# Altium PCB PCB_VHDCI_breakout.PCBDOC (part 3 of 6)
Units mm, origin at the board's own origin, x right, y up, seen from the top; angles counter-clockwise.
Board outline 159.99 x 100 mm, 4 copper layers (TopLayer, Internal Plane 1, Internal Plane 2, BottomLayer), stack 1.622 mm thick; 81 components, 168 nets, 660 pads, 330 vias.
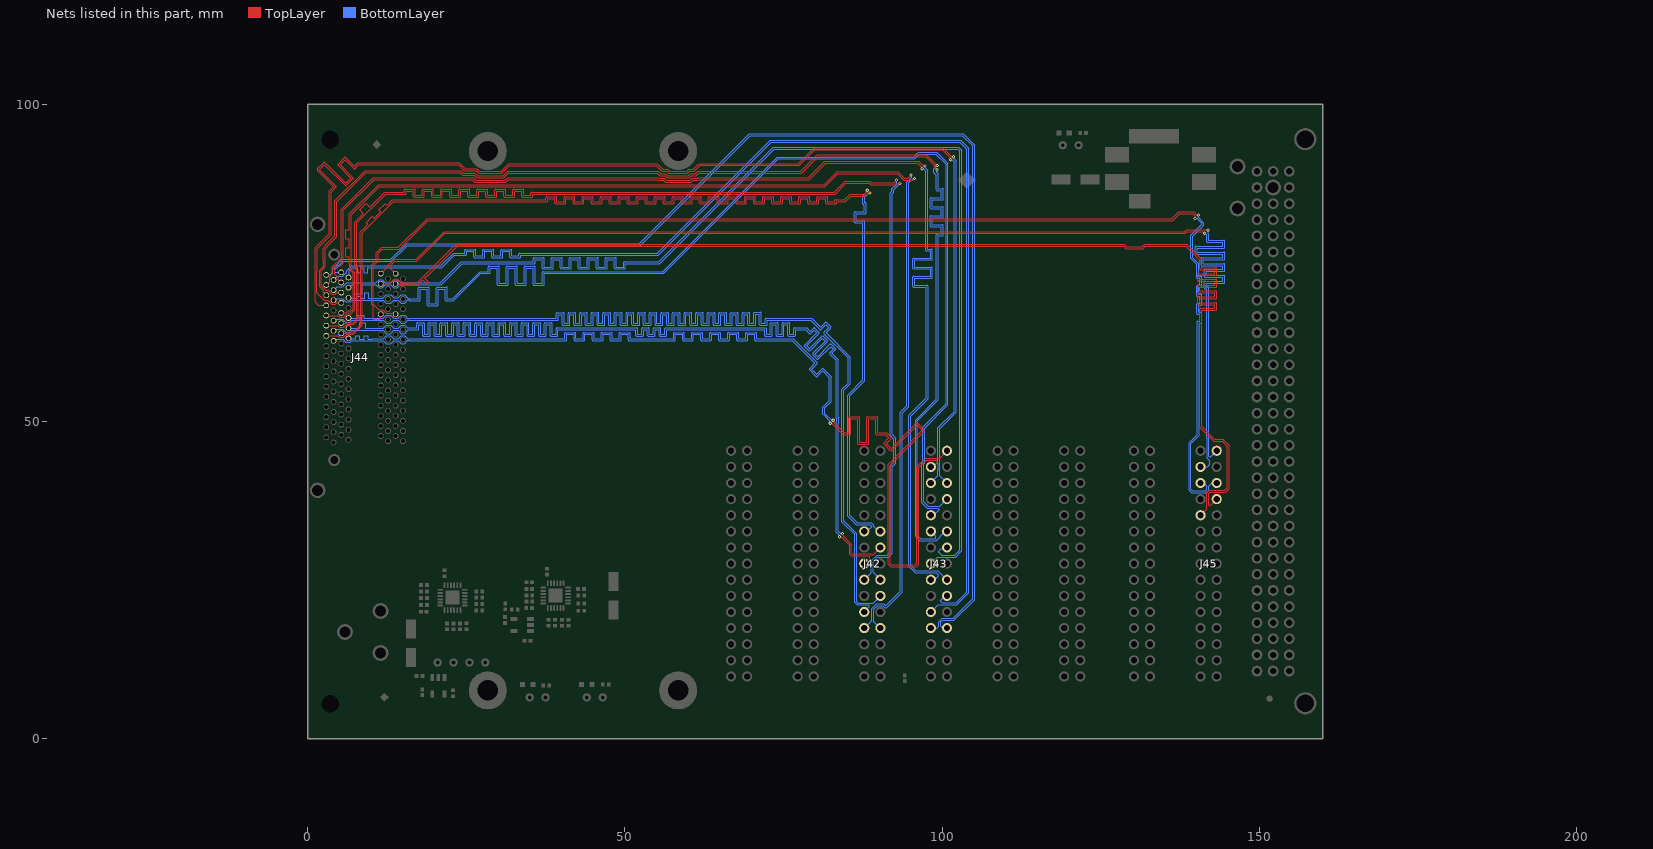
[diagram p5: the nets of this part, all layers, seen from the top]

## Via types
v1: diameter 0.5, hole 0.2, TopLayer to BottomLayer, tented both sides, 278 vias
v2: diameter 0.6, hole 0.3, TopLayer to BottomLayer, tented both sides, 52 vias

## Nets (pads, with @x,y where several pads share a name; then routed paths per layer and width w, separated by ;. In a path a pad name is that pad's centre, name@x,y a point inside that pad or via, vN(x,y) a via of type N, cw(c..) or ccw(c..) an arc to the next point about the centre after c; other vN are vias at no path point) (continued)
LVDS3_4_N: J42.12 J44.L56 | length 187.7
  TopLayer w0.127: J44.L56@2.945,63.471 4.789,63.471 5.029,63.23 5.698,63.23 6.179,63.711 7.199,63.711 8.611,65.123 8.611,74.525 8.605,74.531
  TopLayer w0.152: 8.605,74.531 8.605,79.705 13.495,84.595 37.711,84.595 ccw(c37.711,84.748) 37.864,84.748 37.864,85.089 38.981,85.089 38.981,84.464 ccw(c39.134,84.464) 39.134,84.311 40.556,84.311 ccw(c40.556,84.464) 40.708,84.464 40.708,85.089 41.826,85.089 41.826,84.464 ccw(c41.978,84.464) 41.978,84.311 43.401,84.311 ccw(c43.401,84.464) 43.553,84.464 43.553,85.089 44.671,85.089 44.671,84.464 ccw(c44.823,84.464) 44.823,84.311 46.246,84.311 ccw(c46.246,84.464) 46.398,84.464 46.398,85.089 47.516,85.089 47.516,84.464 ccw(c47.668,84.464) 47.668,84.311 49.09,84.311 ccw(c49.09,84.464) 49.243,84.464 49.243,85.089 50.36,85.089 50.36,84.464 ccw(c50.513,84.464) 50.513,84.311 51.935,84.311 ccw(c51.935,84.464) 52.088,84.464 52.088,85.089 53.205,85.089 53.205,84.464 ccw(c53.358,84.464) 53.358,84.311 54.78,84.311 ccw(c54.78,84.464) 54.932,84.464 54.932,85.089 56.05,85.089 56.05,84.464 ccw(c56.202,84.464) 56.202,84.311 57.625,84.311 ccw(c57.625,84.464) 57.777,84.464 57.777,85.089 58.895,85.089 58.895,84.464 ccw(c59.047,84.464) 59.047,84.311 60.47,84.311 ccw(c60.47,84.464) 60.622,84.464 60.622,85.089 61.74,85.089 61.74,84.464 ccw(c61.892,84.464) 61.892,84.311 63.314,84.311 ccw(c63.314,84.464) 63.467,84.464 63.467,85.089 64.584,85.089 64.584,84.464 ccw(c64.737,84.464) 64.737,84.311 66.159,84.311 ccw(c66.159,84.464) 66.312,84.464 66.312,85.089 67.429,85.089 67.429,84.464 ccw(c67.582,84.464) 67.582,84.311 69.004,84.311 ccw(c69.004,84.464) 69.156,84.464 69.156,85.089 70.274,85.089 70.274,84.464 ccw(c70.426,84.464) 70.426,84.311 71.849,84.311 ccw(c71.849,84.464) 72.001,84.464 72.001,85.089 73.119,85.089 73.119,84.464 ccw(c73.271,84.464) 73.271,84.311 74.694,84.311 ccw(c74.694,84.464) 74.846,84.464 74.846,85.089 75.964,85.089 75.964,84.464 ccw(c76.116,84.464) 76.116,84.311 77.538,84.311 ccw(c77.538,84.464) 77.691,84.464 77.691,85.089 78.808,85.089 78.808,84.464 ccw(c78.961,84.464) 78.961,84.311 80.383,84.311 ccw(c80.383,84.464) 80.536,84.464 80.536,85.089 81.653,85.089 81.653,84.464 ccw(c81.806,84.464) 81.806,84.311 83.228,84.311 ccw(c83.228,84.464) 83.38,84.464 83.38,84.595 84.726,84.595 84.831,84.7 85.631,85.5 87.931,85.5 88.393,85.962 v1(88.638,85.962)
  BottomLayer w0.152: v1(88.638,85.962) 88.393,85.962 87.805,85.374 87.805,84.441 87.881,84.441 cw(c87.881,84.289) 88.033,84.289 88.033,82.866 cw(c87.881,82.866) 87.881,82.714 86.465,82.714 86.465,81.596 87.652,81.596 cw(c87.652,81.444) 87.805,81.444 87.805,56.399 85.4,53.994 85.4,35.184 86.58,34.005 88.826,34.005 89.205,33.626 89.205,33.4 89.949,32.656 J42.12@90.255,32.656
LVDS3_4_P: J42.11 J44.L22 | length 186.9
  TopLayer w0.127: J44.L22@5.295,63.871 5.98,63.871 6.074,63.965 7.094,63.965 8.357,65.229 8.357,74.525 8.294,74.588 8.3,74.595
  TopLayer w0.152: 8.3,74.595 8.3,79.831 8.984,80.516 9.487,81.018 9.207,81.299 10.213,82.305 10.493,82.024 11.499,83.03 11.218,83.311 12.224,84.316 12.505,84.036 12.834,84.366 13.369,84.9 37.559,84.9 37.559,85.241 cw(c37.711,85.241) 37.711,85.394 39.134,85.394 cw(c39.134,85.241) 39.286,85.241 39.286,84.616 40.404,84.616 40.404,85.241 cw(c40.556,85.241) 40.556,85.394 41.978,85.394 cw(c41.978,85.241) 42.131,85.241 42.131,84.616 43.248,84.616 43.248,85.241 cw(c43.401,85.241) 43.401,85.394 44.823,85.394 cw(c44.823,85.241) 44.976,85.241 44.976,84.616 46.093,84.616 46.093,85.241 cw(c46.246,85.241) 46.246,85.394 47.668,85.394 cw(c47.668,85.241) 47.82,85.241 47.82,84.616 48.938,84.616 48.938,85.241 cw(c49.09,85.241) 49.09,85.394 50.513,85.394 cw(c50.513,85.241) 50.665,85.241 50.665,84.616 51.783,84.616 51.783,85.241 cw(c51.935,85.241) 51.935,85.394 53.358,85.394 cw(c53.358,85.241) 53.51,85.241 53.51,84.616 54.628,84.616 54.628,85.241 cw(c54.78,85.241) 54.78,85.394 56.202,85.394 cw(c56.202,85.241) 56.355,85.241 56.355,84.616 57.472,84.616 57.472,85.241 cw(c57.625,85.241) 57.625,85.394 59.047,85.394 cw(c59.047,85.241) 59.2,85.241 59.2,84.616 60.317,84.616 60.317,85.241 cw(c60.47,85.241) 60.47,85.394 61.892,85.394 cw(c61.892,85.241) 62.044,85.241 62.044,84.616 63.162,84.616 63.162,85.241 cw(c63.314,85.241) 63.314,85.394 64.737,85.394 cw(c64.737,85.241) 64.889,85.241 64.889,84.616 66.007,84.616 66.007,85.241 cw(c66.159,85.241) 66.159,85.394 67.582,85.394 cw(c67.582,85.241) 67.734,85.241 67.734,84.616 68.852,84.616 68.852,85.241 cw(c69.004,85.241) 69.004,85.394 70.426,85.394 cw(c70.426,85.241) 70.579,85.241 70.579,84.616 71.696,84.616 71.696,85.241 cw(c71.849,85.241) 71.849,85.394 73.271,85.394 cw(c73.271,85.241) 73.424,85.241 73.424,84.616 74.541,84.616 74.541,85.241 cw(c74.694,85.241) 74.694,85.394 76.116,85.394 cw(c76.116,85.241) 76.268,85.241 76.268,84.616 77.386,84.616 77.386,85.241 cw(c77.538,85.241) 77.538,85.394 78.961,85.394 cw(c78.961,85.241) 79.113,85.241 79.113,84.616 80.231,84.616 80.231,85.241 cw(c80.383,85.241) 80.383,85.394 81.806,85.394 cw(c81.806,85.241) 81.958,85.241 81.958,84.616 83.076,84.616 83.076,84.748 cw(c83.228,84.748) 83.228,84.9 84.6,84.9 85.505,85.805 87.805,85.805 88.177,86.177 v1(88.177,86.423)
  BottomLayer w0.152: J42.11@87.715,32.656 88.156,32.656 88.9,33.4 88.9,33.5 88.7,33.7 86.453,33.7 85.184,34.969 85.095,35.058 85.095,54.12 85.184,54.21 87.5,56.525 87.5,81.292 86.312,81.292 cw(c86.312,81.444) 86.16,81.444 86.16,82.866 cw(c86.312,82.866) 86.312,83.019 87.729,83.019 87.729,84.136 87.652,84.136 cw(c87.652,84.289) 87.5,84.289 87.5,85.5 88.177,86.177 v1(88.177,86.423)
LVDS3_5_N: J42.15 J44.L57 | length 187.1
  TopLayer w0.152: v1(83.807,31.814) 84.081,31.814 85.4,30.495 85.4,29.069 85.584,28.884 85.674,28.795 88.574,28.795 88.584,28.784 88.584,28.446 J42.15@87.715,27.576
  BottomLayer w0.127: J44.L57@4.095,64.271 4.335,64.511 5.56,64.511 6.041,64.03 6.71,64.03 6.991,64.311 11.929,64.311 12.41,63.83 13.128,63.83 13.61,64.311 14.278,64.311 14.76,63.83 15.29,63.83 15.86,64.4
  BottomLayer w0.152: 15.86,64.4 17.357,64.4 ccw(c17.357,64.552) 17.51,64.552 17.51,65.207 18.119,65.207 18.119,63.582 ccw(c18.272,63.582) 18.272,63.43 19.186,63.43 ccw(c19.186,63.582) 19.338,63.582 19.338,65.207 19.948,65.207 19.948,63.582 ccw(c20.1,63.582) 20.1,63.43 21.015,63.43 ccw(c21.015,63.582) 21.167,63.582 21.167,65.207 21.777,65.207 21.777,63.582 ccw(c21.929,63.582) 21.929,63.43 22.844,63.43 ccw(c22.844,63.582) 22.996,63.582 22.996,65.207 23.606,65.207 23.606,63.582 ccw(c23.758,63.582) 23.758,63.43 24.672,63.43 ccw(c24.672,63.582) 24.825,63.582 24.825,65.207 25.434,65.207 25.434,63.582 ccw(c25.587,63.582) 25.587,63.43 26.501,63.43 ccw(c26.501,63.582) 26.654,63.582 26.654,65.207 27.263,65.207 27.263,63.582 ccw(c27.416,63.582) 27.416,63.43 28.33,63.43 ccw(c28.33,63.582) 28.482,63.582 28.482,65.207 29.092,65.207 29.092,63.582 ccw(c29.244,63.582) 29.244,63.43 30.159,63.43 ccw(c30.159,63.582) 30.311,63.582 30.311,65.207 30.921,65.207 30.921,63.582 ccw(c31.073,63.582) 31.073,63.43 31.988,63.43 ccw(c31.988,63.582) 32.14,63.582 32.14,65.207 32.75,65.207 32.75,63.582 ccw(c32.902,63.582) 32.902,63.43 33.816,63.43 ccw(c33.816,63.582) 33.969,63.582 33.969,65.207 34.578,65.207 34.578,63.582 ccw(c34.731,63.582) 34.731,63.43 35.645,63.43 ccw(c35.645,63.582) 35.798,63.582 35.798,65.207 36.407,65.207 36.407,63.582 ccw(c36.56,63.582) 36.56,63.43 37.474,63.43 ccw(c37.474,63.582) 37.626,63.582 37.626,65.207 38.236,65.207 38.236,63.582 ccw(c38.388,63.582) 38.388,63.43 39.303,63.43 ccw(c39.303,63.582) 39.455,63.582 39.455,64.4 51.718,64.4 51.718,63.582 ccw(c51.871,63.582) 51.871,63.43 52.785,63.43 ccw(c52.785,63.582) 52.938,63.582 52.938,64.4 53.547,64.4 53.547,63.582 ccw(c53.7,63.582) 53.7,63.43 54.614,63.43 ccw(c54.614,63.582) 54.766,63.582 54.766,64.4 55.376,64.4 55.376,63.582 ccw(c55.528,63.582) 55.528,63.43 56.443,63.43 ccw(c56.443,63.582) 56.595,63.582 56.595,64.4 72.018,64.4 72.018,63.582 ccw(c72.171,63.582) 72.171,63.43 73.085,63.43 ccw(c73.085,63.582) 73.238,63.582 73.238,65.207 73.847,65.207 73.847,63.582 ccw(c74,63.582) 74,63.43 74.914,63.43 ccw(c74.914,63.582) 75.066,63.582 75.066,65.207 75.676,65.207 75.676,63.582 ccw(c75.828,63.582) 75.828,63.43 76.743,63.43 ccw(c76.743,63.582) 76.895,63.582 76.895,64.4 78.5,64.4 79.073,63.827 ccw(c79.181,63.934) 79.289,63.827 ; 78.323,61.999 80.259,63.935 79.828,64.366 79.289,63.827 ; 78.323,61.999 ccw(c78.431,61.891) 78.323,61.783 78.969,61.136 ; 78.969,61.137 ccw(c79.077,61.244) 79.185,61.136 81.121,63.073 81.552,62.642 79.616,60.705 ccw(c79.724,60.598) 79.616,60.49 80.262,59.843 ccw(c80.37,59.951) 80.478,59.844 82.414,61.78 82.846,61.349 82.306,60.809 ; 82.307,60.81 ccw(c82.414,60.702) 82.306,60.594 83.3,59.6 83.3,50.506 83.403,50.403 83.403,49.922 83.3,49.819 83.3,32.549 83.395,32.454 83.807,32.042 v1(83.807,31.814)
LVDS3_5_P: J42.14 J44.L23 | length 186.7
  TopLayer w0.152: v1(84.3,32.3) 84.3,32.026 85.705,30.621 85.705,29.195 85.8,29.1 88.7,29.1 88.8,29 89.139,29 J42.14@90.255,30.116
  BottomLayer w0.127: J44.L23@6.445,64.671 6.485,64.63 6.991,64.63 7.8,64.63 8.244,64.63 8.244,65.531 9.133,65.531 9.133,64.63 9.8,64.63 11.929,64.63 12.41,65.111 13.129,65.111 13.61,64.63 14.278,64.63 14.76,65.111 15.29,65.111 15.697,64.705 15.875,64.705
  BottomLayer w0.152: 15.875,64.705 17.205,64.705 17.205,65.36 cw(c17.357,65.36) 17.357,65.512 18.272,65.512 cw(c18.272,65.36) 18.424,65.36 18.424,63.735 19.034,63.735 19.034,65.36 cw(c19.186,65.36) 19.186,65.512 20.1,65.512 cw(c20.1,65.36) 20.253,65.36 20.253,63.735 20.862,63.735 20.862,65.36 cw(c21.015,65.36) 21.015,65.512 21.929,65.512 cw(c21.929,65.36) 22.082,65.36 22.082,63.735 22.691,63.735 22.691,65.36 cw(c22.844,65.36) 22.844,65.512 23.758,65.512 cw(c23.758,65.36) 23.91,65.36 23.91,63.735 24.52,63.735 24.52,65.36 cw(c24.672,65.36) 24.672,65.512 25.587,65.512 cw(c25.587,65.36) 25.739,65.36 25.739,63.735 26.349,63.735 26.349,65.36 cw(c26.501,65.36) 26.501,65.512 27.416,65.512 cw(c27.416,65.36) 27.568,65.36 27.568,63.735 28.178,63.735 28.178,65.36 cw(c28.33,65.36) 28.33,65.512 29.244,65.512 cw(c29.244,65.36) 29.397,65.36 29.397,63.735 30.006,63.735 30.006,65.36 cw(c30.159,65.36) 30.159,65.512 31.073,65.512 cw(c31.073,65.36) 31.226,65.36 31.226,63.735 31.835,63.735 31.835,65.36 cw(c31.988,65.36) 31.988,65.512 32.902,65.512 cw(c32.902,65.36) 33.054,65.36 33.054,63.735 33.664,63.735 33.664,65.36 cw(c33.816,65.36) 33.816,65.512 34.731,65.512 cw(c34.731,65.36) 34.883,65.36 34.883,63.735 35.493,63.735 35.493,65.36 cw(c35.645,65.36) 35.645,65.512 36.56,65.512 cw(c36.56,65.36) 36.712,65.36 36.712,63.735 37.322,63.735 37.322,65.36 cw(c37.474,65.36) 37.474,65.512 38.388,65.512 cw(c38.388,65.36) 38.541,65.36 38.541,63.735 39.15,63.735 39.15,64.552 cw(c39.303,64.552) 39.303,64.705 51.871,64.705 cw(c51.871,64.552) 52.023,64.552 52.023,63.735 52.633,63.735 52.633,64.552 cw(c52.785,64.552) 52.785,64.705 53.7,64.705 cw(c53.7,64.552) 53.852,64.552 53.852,63.735 54.462,63.735 54.462,64.552 cw(c54.614,64.552) 54.614,64.705 55.528,64.705 cw(c55.528,64.552) 55.681,64.552 55.681,63.735 56.29,63.735 56.29,64.552 cw(c56.443,64.552) 56.443,64.705 72.171,64.705 cw(c72.171,64.552) 72.323,64.552 72.323,63.735 72.933,63.735 72.933,65.36 cw(c73.085,65.36) 73.085,65.512 74,65.512 cw(c74,65.36) 74.152,65.36 74.152,63.735 74.762,63.735 74.762,65.36 cw(c74.914,65.36) 74.914,65.512 75.828,65.512 cw(c75.828,65.36) 75.981,65.36 75.981,63.735 76.59,63.735 76.59,64.552 cw(c76.743,64.552) 76.743,64.705 78.626,64.705 79.181,64.15 79.72,64.689 cw(c79.828,64.582) 79.936,64.689 ; 79.936,64.689 80.583,64.043 cw(c80.475,63.935) 80.627,63.935 cw(c80.475,63.935) 80.583,63.827 78.646,61.891 79.077,61.46 81.014,63.396 cw(c81.121,63.288) 81.23,63.396 81.876,62.75 ; 81.875,62.75 cw(c81.768,62.642) 81.92,62.642 cw(c81.768,62.642) 81.876,62.534 79.939,60.598 80.37,60.167 82.307,62.103 cw(c82.414,61.995) 82.523,62.103 ; 82.522,62.103 83.169,61.456 cw(c83.061,61.349) 83.213,61.349 cw(c83.061,61.349) 83.169,61.241 82.629,60.702 83.605,59.726 83.605,50.632 83.708,50.529 83.708,49.796 83.605,49.693 83.605,32.675 83.987,32.293 84.215,32.293 v1@84.25,32.257
LVDS3_6_N: J42.18 J44.L58 | length 187.9
  TopLayer w0.127: J44.L58@2.945,65.071 4.789,65.071 5.029,64.83 5.698,64.83 6.179,65.311 7.275,65.311 8.002,66.038 8.002,73.843 7.773,74.071 7.773,74.652 7.767,74.658
  TopLayer w0.152: 7.767,74.658 7.767,81.267 12.3,85.8 15.411,85.8 ccw(c15.411,85.952) 15.564,85.952 15.564,86.276 16.681,86.276 16.681,85.472 ccw(c16.834,85.472) 16.834,85.32 18.256,85.32 ccw(c18.256,85.472) 18.408,85.472 18.408,86.276 19.526,86.276 19.526,85.472 ccw(c19.678,85.472) 19.678,85.32 21.101,85.32 ccw(c21.101,85.472) 21.253,85.472 21.253,86.276 22.371,86.276 22.371,85.472 ccw(c22.523,85.472) 22.523,85.32 23.946,85.32 ccw(c23.946,85.472) 24.098,85.472 24.098,86.276 25.216,86.276 25.216,85.472 ccw(c25.368,85.472) 25.368,85.32 26.79,85.32 ccw(c26.79,85.472) 26.943,85.472 26.943,86.234 28.06,86.234 28.06,85.472 ccw(c28.213,85.472) 28.213,85.32 29.635,85.32 ccw(c29.635,85.472) 29.788,85.472 29.788,86.234 30.905,86.234 30.905,85.472 ccw(c31.058,85.472) 31.058,85.32 32.48,85.32 ccw(c32.48,85.472) 32.632,85.472 32.632,86.276 33.75,86.276 33.75,85.472 ccw(c33.902,85.472) 33.902,85.32 35.325,85.32 ccw(c35.325,85.472) 35.477,85.472 35.477,85.8 83.131,85.8 84.816,87.484 88.516,87.484 88.6,87.4 88.689,87.311 92.542,87.311 92.631,87.4 93.263,87.4 v1(93.356,87.494)
  TopLayer w0.254: v1@93.182,87.494 v1(93.356,87.494)
  BottomLayer w0.152: J42.18@90.255,25.036 89.1,26.191 89.1,26.968 89.124,26.992 89.124,27.864 89.86,28.6 91.537,28.6 92.121,29.183 92.121,42.821 92.705,43.405 92.705,47.342 92.121,47.926 92.121,85.868 92.351,86.098 92.351,86.488 v1(93.356,87.494)
LVDS3_6_P: J42.17 J44.L24 | length 186.8
  TopLayer w0.127: J44.L24@5.295,65.471 5.98,65.471 6.074,65.565 7.17,65.565 7.748,66.143 7.748,73.738 7.519,73.966 7.519,74.652 7.456,74.715 7.462,74.722
  TopLayer w0.152: 7.462,74.722 7.462,81.393 8.3,82.231 8.803,82.734 8.206,83.331 9.212,84.337 9.809,83.74 10.734,84.666 12.174,86.105 15.259,86.105 15.259,86.428 cw(c15.411,86.428) 15.411,86.58 16.834,86.58 cw(c16.834,86.428) 16.986,86.428 16.986,85.624 18.104,85.624 18.104,86.428 cw(c18.256,86.428) 18.256,86.58 19.678,86.58 cw(c19.678,86.428) 19.831,86.428 19.831,85.624 20.948,85.624 20.948,86.428 cw(c21.101,86.428) 21.101,86.58 22.523,86.58 cw(c22.523,86.428) 22.676,86.428 22.676,85.624 23.793,85.624 23.793,86.428 cw(c23.946,86.428) 23.946,86.58 25.368,86.58 cw(c25.368,86.428) 25.52,86.428 25.52,85.624 26.638,85.624 26.638,86.386 cw(c26.79,86.386) 26.79,86.539 28.213,86.539 cw(c28.213,86.386) 28.365,86.386 28.365,85.624 29.483,85.624 29.483,86.386 cw(c29.635,86.386) 29.635,86.539 31.058,86.539 cw(c31.058,86.386) 31.21,86.386 31.21,85.624 32.328,85.624 32.328,86.428 cw(c32.48,86.428) 32.48,86.58 33.902,86.58 cw(c33.902,86.428) 34.055,86.428 34.055,85.624 35.172,85.624 35.172,85.952 cw(c35.325,85.952) 35.325,86.105 83.005,86.105 84.6,87.7 84.689,87.789 88.642,87.789 88.731,87.7 88.816,87.616 92.416,87.616 v1(92.8,88)
  BottomLayer w0.152: J42.17@87.715,25.036 88.821,26.142 88.821,27.083 88.845,27.108 88.845,27.98 88.9,28.035 88.9,28.071 89.734,28.905 91.335,28.905 91.806,29.376 91.806,42.937 92.4,43.531 92.4,47.206 91.806,47.8 91.806,85.984 92.046,86.224 92.046,86.6 92.039,86.607 92.8,87.368 v1(92.8,88)
LVDS3_7_N: J42.21 J44.L59 | length 189.3
  BottomLayer w0.127: J44.L59@4.095,65.871 4.335,66.111 5.56,66.111 6.041,65.63 6.71,65.63 6.991,65.911 11.929,65.911 12.41,65.43 13.128,65.43 13.61,65.911 14.278,65.911 14.76,65.43 15.29,65.43 15.804,65.944 16.003,65.944 16.028,65.919
  BottomLayer w0.152: 16.028,65.919 39.357,65.919 ccw(c39.357,66.071) 39.51,66.071 39.51,66.807 40.119,66.807 40.119,65.264 ccw(c40.272,65.264) 40.272,65.111 41.186,65.111 ccw(c41.186,65.264) 41.338,65.264 41.338,66.807 41.948,66.807 41.948,65.264 ccw(c42.1,65.264) 42.1,65.111 43.015,65.111 ccw(c43.015,65.264) 43.167,65.264 43.167,66.807 43.777,66.807 43.777,65.264 ccw(c43.929,65.264) 43.929,65.111 44.844,65.111 ccw(c44.844,65.264) 44.996,65.264 44.996,66.807 45.606,66.807 45.606,65.264 ccw(c45.758,65.264) 45.758,65.111 46.672,65.111 ccw(c46.672,65.264) 46.825,65.264 46.825,66.807 47.434,66.807 47.434,65.264 ccw(c47.587,65.264) 47.587,65.111 48.501,65.111 ccw(c48.501,65.264) 48.654,65.264 48.654,66.807 49.263,66.807 49.263,65.264 ccw(c49.416,65.264) 49.416,65.111 50.33,65.111 ccw(c50.33,65.264) 50.482,65.264 50.482,66.807 51.092,66.807 51.092,65.264 ccw(c51.244,65.264) 51.244,65.111 52.159,65.111 ccw(c52.159,65.264) 52.311,65.264 52.311,66.807 52.921,66.807 52.921,65.264 ccw(c53.073,65.264) 53.073,65.111 53.988,65.111 ccw(c53.988,65.264) 54.14,65.264 54.14,66.807 54.75,66.807 54.75,65.264 ccw(c54.902,65.264) 54.902,65.111 55.816,65.111 ccw(c55.816,65.264) 55.969,65.264 55.969,66.807 56.578,66.807 56.578,65.264 ccw(c56.731,65.264) 56.731,65.111 57.645,65.111 ccw(c57.645,65.264) 57.798,65.264 57.798,66.807 58.407,66.807 58.407,65.264 ccw(c58.56,65.264) 58.56,65.111 59.474,65.111 ccw(c59.474,65.264) 59.626,65.264 59.626,66.807 60.236,66.807 60.236,65.264 ccw(c60.388,65.264) 60.388,65.111 61.303,65.111 ccw(c61.303,65.264) 61.455,65.264 61.455,66.807 62.065,66.807 62.065,65.264 ccw(c62.217,65.264) 62.217,65.111 63.132,65.111 ccw(c63.132,65.264) 63.284,65.264 63.284,66.807 63.894,66.807 63.894,65.264 ccw(c64.046,65.264) 64.046,65.111 64.96,65.111 ccw(c64.96,65.264) 65.113,65.264 65.113,66.807 65.722,66.807 65.722,65.264 ccw(c65.875,65.264) 65.875,65.111 66.789,65.111 ccw(c66.789,65.264) 66.942,65.264 66.942,66.807 67.551,66.807 67.551,65.264 ccw(c67.704,65.264) 67.704,65.111 68.618,65.111 ccw(c68.618,65.264) 68.77,65.264 68.77,66.807 69.38,66.807 69.38,65.264 ccw(c69.532,65.264) 69.532,65.111 70.447,65.111 ccw(c70.447,65.264) 70.599,65.264 70.599,66.843 71.209,66.843 71.209,65.264 ccw(c71.361,65.264) 71.361,65.111 72.276,65.111 ccw(c72.276,65.264) 72.428,65.264 72.428,65.919 79.281,65.919 80.723,64.477 ; 80.723,64.477 ccw(c80.831,64.584) 80.939,64.477 81.671,65.209 82.102,64.778 81.37,64.046 ccw(c81.478,63.938) 81.37,63.83 85.2,60 85.2,56.031 84.284,55.116 84.195,55.026 84.195,34.174 84.284,34.084 86.2,32.169 86.2,21.469 86.611,21.058 88.342,21.058 88.5,20.9 88.5,20.741 J42.21@87.715,19.956
LVDS3_7_P: J42.20 J44.L25 | length 189.4
  BottomLayer w0.127: J44.L25@6.445,66.271 6.485,66.23 7.6,66.23 7.791,66.23 7.791,66.673 8.172,66.673 8.172,66.23 8.172,66.165 8.553,66.165 8.553,66.23 8.553,66.673 8.934,66.673 8.934,66.23 9.018,66.23 11.929,66.23 12.41,66.711 13.129,66.711 13.61,66.23 14.279,66.23 14.76,66.711 15.29,66.711 15.804,66.198 16.003,66.198 16.028,66.223
  BottomLayer w0.152: 16.028,66.223 39.205,66.223 39.205,66.96 cw(c39.357,66.96) 39.357,67.112 40.272,67.112 cw(c40.272,66.96) 40.424,66.96 40.424,65.416 41.034,65.416 41.034,66.96 cw(c41.186,66.96) 41.186,67.112 42.1,67.112 cw(c42.1,66.96) 42.253,66.96 42.253,65.416 42.862,65.416 42.862,66.96 cw(c43.015,66.96) 43.015,67.112 43.929,67.112 cw(c43.929,66.96) 44.082,66.96 44.082,65.416 44.691,65.416 44.691,66.96 cw(c44.844,66.96) 44.844,67.112 45.758,67.112 cw(c45.758,66.96) 45.91,66.96 45.91,65.416 46.52,65.416 46.52,66.96 cw(c46.672,66.96) 46.672,67.112 47.587,67.112 cw(c47.587,66.96) 47.739,66.96 47.739,65.416 48.349,65.416 48.349,66.96 cw(c48.501,66.96) 48.501,67.112 49.416,67.112 cw(c49.416,66.96) 49.568,66.96 49.568,65.416 50.178,65.416 50.178,66.96 cw(c50.33,66.96) 50.33,67.112 51.244,67.112 cw(c51.244,66.96) 51.397,66.96 51.397,65.416 52.006,65.416 52.006,66.96 cw(c52.159,66.96) 52.159,67.112 53.073,67.112 cw(c53.073,66.96) 53.226,66.96 53.226,65.416 53.835,65.416 53.835,66.96 cw(c53.988,66.96) 53.988,67.112 54.902,67.112 cw(c54.902,66.96) 55.054,66.96 55.054,65.416 55.664,65.416 55.664,66.96 cw(c55.816,66.96) 55.816,67.112 56.731,67.112 cw(c56.731,66.96) 56.883,66.96 56.883,65.416 57.493,65.416 57.493,66.96 cw(c57.645,66.96) 57.645,67.112 58.56,67.112 cw(c58.56,66.96) 58.712,66.96 58.712,65.416 59.322,65.416 59.322,66.96 cw(c59.474,66.96) 59.474,67.112 60.388,67.112 cw(c60.388,66.96) 60.541,66.96 60.541,65.416 61.15,65.416 61.15,66.96 cw(c61.303,66.96) 61.303,67.112 62.217,67.112 cw(c62.217,66.96) 62.37,66.96 62.37,65.416 62.979,65.416 62.979,66.96 cw(c63.132,66.96) 63.132,67.112 64.046,67.112 cw(c64.046,66.96) 64.198,66.96 64.198,65.416 64.808,65.416 64.808,66.96 cw(c64.96,66.96) 64.96,67.112 65.875,67.112 cw(c65.875,66.96) 66.027,66.96 66.027,65.416 66.637,65.416 66.637,66.96 cw(c66.789,66.96) 66.789,67.112 67.704,67.112 cw(c67.704,66.96) 67.856,66.96 67.856,65.416 68.466,65.416 68.466,66.96 cw(c68.618,66.96) 68.618,67.112 69.532,67.112 cw(c69.532,66.96) 69.685,66.96 69.685,65.416 70.294,65.416 70.294,66.996 cw(c70.447,66.996) 70.447,67.148 71.361,67.148 cw(c71.361,66.996) 71.514,66.996 71.514,65.416 72.123,65.416 72.123,66.071 cw(c72.276,66.071) 72.276,66.223 79.408,66.223 80.831,64.8 81.564,65.532 cw(c81.671,65.425) 81.779,65.532 82.426,64.886 ; 82.425,64.886 cw(c82.318,64.778) 82.47,64.778 cw(c82.318,64.778) 82.426,64.67 81.693,63.938 85.505,60.126 85.505,55.905 84.5,54.9 84.5,34.3 86.505,32.295 86.505,21.595 86.737,21.363 89.122,21.363 J42.20@90.255,22.496
LVDS3_8_N: J42.24 J44.L60 | length 187.7
  TopLayer w0.127: J44.L60@2.945,66.671 4.789,66.671 5.029,66.43 5.698,66.43 6.179,66.911 6.391,66.911 6.456,66.976 6.815,66.976 7.417,67.579 7.417,73.436 6.884,73.97 6.884,74.652 6.878,74.658
  TopLayer w0.152: 6.878,74.658 6.878,82.578 11.3,87 26.022,87 26.063,86.958 30.384,86.958 31.507,86.958 31.548,87 56.022,87 56.063,86.958 60.737,86.958 60.778,87 81.531,87 83.516,88.984 92.916,88.984 93.905,87.995 95.382,87.995 v1(95.642,88.256)
  BottomLayer w0.152: J42.24@90.255,17.416 90.239,17.416 89.137,18.518 89.205,18.586 89.205,20.3 89.252,20.347 89.252,20.372 89.839,20.959 90.67,20.959 90.975,20.654 91.254,20.654 93.7,23.1 93.7,51.3 94.729,52.329 94.729,87.571 95.415,88.256 v1(95.642,88.256)
LVDS3_8_P: J42.23 J44.L26 | length 187.1
  TopLayer w0.127: J44.L26@5.295,67.071 5.98,67.071 6.139,67.23 6.71,67.23 7.163,67.684 7.163,73.331 6.63,73.865 6.63,74.652 6.567,74.715 6.573,74.722
  TopLayer w0.152: 6.573,74.722 6.573,75.2 6.573,75.911 6.039,75.911 6.039,77.334 6.573,77.334 6.573,78.756 6.039,78.756 6.039,80.178 6.573,80.178 6.573,81 6.573,82.704 11.174,87.305 26.148,87.305 26.189,87.263 30.258,87.263 31.381,87.263 31.422,87.305 56.148,87.305 56.189,87.263 60.611,87.263 60.652,87.305 81.405,87.305 83.3,89.2 83.389,89.289 93.042,89.289 93.131,89.2 94.031,88.3 94.6,88.3 v1(95.1,88.8)
  BottomLayer w0.152: J42.23@87.715,17.416 87.731,17.416 88.832,18.518 88.832,18.644 88.9,18.712 88.9,20.451 89.713,21.264 90.797,21.264 91.101,20.959 91.128,20.959 93.395,23.226 93.395,51.426 93.484,51.516 94.425,52.456 94.425,87.697 94.514,87.786 95.164,88.436 95.164,88.664 v1@95.199,88.699
LVDS4_1_N: J43.3 J44.L55 | length 190.2
  TopLayer w0.152: v1(82.362,49.701) 82.607,49.701 84.414,47.895 85.416,47.895 ccw(c85.416,48.048) 85.569,48.048 85.569,50.384 86.686,50.384 86.686,46.512 ccw(c86.839,46.512) 86.839,46.359 88.261,46.359 ccw(c88.261,46.512) 88.414,46.512 88.414,50.384 89.531,50.384 89.531,48.048 ccw(c89.684,48.048) 89.684,47.895 91.105,47.895 91.617,47.383 90.83,46.596 ; 90.829,46.595 ccw(c90.937,46.488) 90.829,46.38 91.835,45.374 ccw(c91.943,45.482) 92.051,45.374 96.046,49.37 96.836,48.579 92.248,43.991 92.248,43.955 91.521,43.228 91.521,27.5 91.926,27.094 95.884,27.094 96.29,27.5 96.29,42.71 97.475,43.895 99.005,43.895 99.32,43.58 98.556,42.816 J43.3@98.215,42.816
  BottomLayer w0.127: J44.L55@4.095,62.671 4.335,62.911 5.56,62.911 6.041,62.43 6.71,62.43 6.991,62.711 11.928,62.711 12.41,62.23 13.128,62.23 13.61,62.711 14.278,62.711 14.76,62.23 15.29,62.23 15.804,62.744 16.028,62.744 16.053,62.719
  BottomLayer w0.152: 16.053,62.719 40.711,62.719 ccw(c40.711,62.871) 40.864,62.871 40.864,63.689 41.981,63.689 41.981,62.871 ccw(c42.134,62.871) 42.134,62.719 43.556,62.719 ccw(c43.556,62.871) 43.708,62.871 43.708,63.689 44.826,63.689 44.826,62.871 ccw(c44.978,62.871) 44.978,62.719 46.401,62.719 ccw(c46.401,62.871) 46.553,62.871 46.553,63.689 47.671,63.689 47.671,62.871 ccw(c47.823,62.871) 47.823,62.719 49.246,62.719 ccw(c49.246,62.871) 49.398,62.871 49.398,63.689 50.516,63.689 50.516,62.871 ccw(c50.668,62.871) 50.668,62.719 57.811,62.719 ccw(c57.811,62.871) 57.964,62.871 57.964,63.689 59.081,63.689 59.081,62.871 ccw(c59.234,62.871) 59.234,62.719 60.656,62.719 ccw(c60.656,62.871) 60.808,62.871 60.808,63.689 61.926,63.689 61.926,62.871 ccw(c62.078,62.871) 62.078,62.719 63.501,62.719 ccw(c63.501,62.871) 63.653,62.871 63.653,63.689 64.771,63.689 64.771,62.871 ccw(c64.923,62.871) 64.923,62.719 66.346,62.719 ccw(c66.346,62.871) 66.498,62.871 66.498,63.689 67.616,63.689 67.616,62.871 ccw(c67.768,62.871) 67.768,62.719 69.19,62.719 ccw(c69.19,62.871) 69.343,62.871 69.343,63.689 70.46,63.689 70.46,62.871 ccw(c70.613,62.871) 70.613,62.719 76.381,62.719 79.951,59.149 79.102,58.301 ccw(c79.21,58.193) 79.102,58.085 ; 79.103,58.085 80.108,57.079 ccw(c80.216,57.187) 80.324,57.079 ; 80.324,57.08 81.172,57.928 82.2,56.9 82.2,53.231 81.215,52.246 81.215,51.094 81.304,51.004 82.424,49.884 82.424,49.764 v1(82.362,49.701)
LVDS4_1_P: J43.2 J44.L21 | length 193.8
  TopLayer w0.152: v1(82.823,50.163) 82.823,49.917 84.54,48.2 85.264,48.2 85.264,50.536 cw(c85.416,50.536) 85.416,50.689 86.839,50.689 cw(c86.839,50.536) 86.991,50.536 86.991,46.664 88.109,46.664 88.109,50.536 cw(c88.261,50.536) 88.261,50.689 89.684,50.689 cw(c89.684,50.536) 89.836,50.536 89.836,48.2 91.231,48.2 91.94,47.491 ; 91.94,47.491 cw(c91.832,47.383) 91.985,47.383 cw(c91.832,47.383) 91.94,47.275 91.153,46.488 91.943,45.697 95.938,49.693 cw(c96.046,49.585) 96.154,49.693 97.159,48.688 ; 92.442,27.374 95.768,27.374 ; 96.366,43.182 96.01,42.826 ; 97.16,48.687 cw(c97.052,48.579) 97.204,48.579 cw(c97.052,48.579) 97.16,48.472 91.8,43.112 91.8,27.616 92.042,27.374 95.768,27.374 ; J43.2@100.755,45.356 99.599,44.2 97.384,44.2 96.01,42.826 ; 95.768,27.374 96.01,27.616 96.01,42.826
  BottomLayer w0.127: J44.L21@6.445,63.071 6.485,63.03 7.3,63.03 7.618,63.03 7.618,63.473 8.253,63.473 8.253,63.03 8.253,62.965 8.888,62.965 8.888,63.03 8.888,63.473 9.523,63.473 9.523,63.03 9.523,62.965 10.158,62.965 10.158,63.03 10.7,63.03 11.929,63.03 12.41,63.511 13.129,63.511 13.61,63.03 14.278,63.03 14.76,63.511 15.29,63.511 15.804,62.998 16.028,62.998 16.053,63.023
  BottomLayer w0.152: 16.053,63.023 40.559,63.023 40.559,63.841 cw(c40.711,63.841) 40.711,63.994 42.134,63.994 cw(c42.134,63.841) 42.286,63.841 42.286,63.023 43.404,63.023 43.404,63.841 cw(c43.556,63.841) 43.556,63.994 44.978,63.994 cw(c44.978,63.841) 45.131,63.841 45.131,63.023 46.248,63.023 46.248,63.841 cw(c46.401,63.841) 46.401,63.994 47.823,63.994 cw(c47.823,63.841) 47.976,63.841 47.976,63.023 49.093,63.023 49.093,63.841 cw(c49.246,63.841) 49.246,63.994 50.668,63.994 cw(c50.668,63.841) 50.82,63.841 50.82,63.023 57.659,63.023 57.659,63.841 cw(c57.811,63.841) 57.811,63.994 59.234,63.994 cw(c59.234,63.841) 59.386,63.841 59.386,63.023 60.504,63.023 60.504,63.841 cw(c60.656,63.841) 60.656,63.994 62.078,63.994 cw(c62.078,63.841) 62.231,63.841 62.231,63.023 63.348,63.023 63.348,63.841 cw(c63.501,63.841) 63.501,63.994 64.923,63.994 cw(c64.923,63.841) 65.076,63.841 65.076,63.023 66.193,63.023 66.193,63.841 cw(c66.346,63.841) 66.346,63.994 67.768,63.994 cw(c67.768,63.841) 67.92,63.841 67.92,63.023 69.038,63.023 69.038,63.841 cw(c69.19,63.841) 69.19,63.994 70.613,63.994 cw(c70.613,63.841) 70.765,63.841 70.765,63.023 76.508,63.023 80.274,59.257 cw(c80.166,59.149) 80.319,59.149 cw(c80.166,59.149) 80.274,59.041 79.426,58.193 80.216,57.403 81.064,58.251 cw(c81.172,58.143) 81.28,58.251 82.505,57.026 82.505,53.105 81.52,52.12 81.52,51.22 82.64,50.1 82.76,50.1 v1(82.823,50.163)
LVDS4_2_N: J43.6 J44.L62 | length 190.6
  TopLayer w0.127: 1.181,73.642 1.175,73.636 1.175,68.8 1.704,68.271 J44.L62@2.795,68.271
  TopLayer w0.152: 1.181,73.642 1.181,77.312 3.4,79.531 3.4,86.231 4.13,86.961 1.536,89.555 cw(c1.643,89.662) 1.536,89.771 ; 1.536,89.77 2.541,90.776 cw(c2.649,90.668) 2.757,90.775 6.019,87.514 6.809,88.304 4.791,90.323 cw(c4.898,90.43) 4.791,90.539 ; 4.791,90.538 5.796,91.544 cw(c5.904,91.436) 6.012,91.544 7.362,90.194 7.874,90.705 23.926,90.705 24.831,89.8 26.67,89.8 27.073,89.397 30.497,89.397 31.584,90.484 31.674,90.574 55.057,90.574 55.147,90.484 55.931,89.7 56.77,89.7 57.073,89.397 59.727,89.397 60.03,89.7 60.8,89.7 61.589,90.489 61.716,90.616 77.316,90.616 79.805,93.105 100.126,93.105 101.543,91.688 v1(101.788,91.688)
  BottomLayer w0.152: J43.6@100.755,40.276 99.637,41.394 99.637,42.209 99.65,42.222 99.65,43.41 99.637,43.423 99.637,44.875 99.625,44.888 99.625,48.825 102.205,51.405 102.205,91.026 101.788,91.443 v1(101.788,91.688)
LVDS4_2_P: J43.5 J44.L28 | length 191
  TopLayer w0.127: 1.486,73.706 1.492,73.699 1.429,73.636 1.429,70.256 2.62,69.064 3.196,69.064 3.829,68.43 4.36,68.43 4.601,68.671 J44.L28@5.295,68.671
  TopLayer w0.152: 1.486,73.706 1.486,77.186 3.705,79.405 3.705,86.105 4.453,86.853 ccw(c4.345,86.961) 4.498,86.961 ccw(c4.345,86.961) 4.452,87.069 1.859,89.662 2.649,90.453 5.911,87.191 ccw(c6.019,87.298) 6.127,87.191 ; 6.127,87.191 7.132,88.197 ccw(c7.025,88.304) 7.177,88.304 ccw(c7.025,88.304) 7.132,88.413 5.114,90.43 5.904,91.221 7.255,89.87 ccw(c7.362,89.978) 7.471,89.871 8,90.4 23.8,90.4 24.705,89.495 26.544,89.495 26.947,89.092 30.623,89.092 31.8,90.269 54.931,90.269 55.805,89.395 56.644,89.395 56.947,89.092 59.853,89.092 60.156,89.395 60.926,89.395 61.842,90.311 77.442,90.311 77.531,90.4 79.931,92.8 100,92.8 101.327,91.473 v1(101.327,91.227)
  BottomLayer w0.152: J43.5@98.215,40.276 99.332,41.394 99.332,42.335 99.345,42.348 99.345,43.284 99.32,43.309 99.32,48.951 101.9,51.531 101.9,90.9 101.573,91.227 v1(101.327,91.227)
LVDS4_3_N: J43.9 J44.L63 | length 192.2
  BottomLayer w0.127: J44.L63@4.095,69.071 4.335,69.311 5.56,69.311 6.041,68.83 6.71,68.83 6.991,69.111 11.929,69.111 12.41,68.63 13.128,68.63 13.61,69.112 14.278,69.112 14.76,68.63 15.29,68.63 15.804,69.144 16.003,69.144 16.066,69.08
  BottomLayer w0.152: 16.003,69.004 17.611,69.004 ccw(c17.611,69.156) 17.764,69.156 17.764,70.817 18.881,70.817 18.881,68.382 ccw(c19.034,68.382) 19.034,68.23 20.456,68.23 ccw(c20.456,68.382) 20.608,68.382 20.608,70.817 21.726,70.817 21.726,69.156 ccw(c21.878,69.156) 21.878,69.004 23.004,69.004 23.144,69.144 27.295,73.295 28.611,73.295 ccw(c28.611,73.448) 28.764,73.448 28.764,74.144 29.881,74.144 29.881,71.571 ccw(c30.034,71.571) 30.034,71.419 31.456,71.419 ccw(c31.456,71.571) 31.608,71.571 31.608,74.144 32.726,74.144 32.726,71.571 ccw(c32.878,71.571) 32.878,71.419 34.301,71.419 ccw(c34.301,71.571) 34.453,71.571 34.453,74.144 35.571,74.144 35.571,71.571 ccw(c35.723,71.571) 35.723,71.419 37.146,71.419 ccw(c37.146,71.571) 37.298,71.571 37.298,73.295 56.095,73.295 74.14,91.34 95.64,91.34 96.4,92.1 99,92.1 100.6,90.5 100.6,52.731 96.907,49.038 96.907,43.537 96.78,43.41 96.78,37.189 97.674,36.295 99.305,36.295 99.5,36.1 98.596,35.196 J43.9@98.215,35.196
LVDS4_3_P: J43.8 J44.L29 | length 191.9
  BottomLayer w0.127: J44.L29@6.445,69.471 6.55,69.365 7.4,69.365 7.718,69.365 7.718,69.719 8.353,69.719 8.353,69.365 8.988,69.365 8.988,70.273 9.623,70.273 9.623,69.365 10.258,69.365 10.364,69.365 11.864,69.365 12.41,69.911 13.129,69.911 13.61,69.43 14.278,69.43 14.76,69.911 15.29,69.911 15.804,69.398 15.913,69.398
  BottomLayer w0.152: 15.913,69.309 17.459,69.309 17.459,70.969 cw(c17.611,70.969) 17.611,71.121 19.034,71.121 cw(c19.034,70.969) 19.186,70.969 19.186,68.535 20.304,68.535 20.304,70.969 cw(c20.456,70.969) 20.456,71.121 21.878,71.121 cw(c21.878,70.969) 22.031,70.969 22.031,69.309 22.878,69.309 27.169,73.6 28.459,73.6 28.459,74.296 cw(c28.611,74.296) 28.611,74.449 30.034,74.449 cw(c30.034,74.296) 30.186,74.296 30.186,71.724 31.304,71.724 31.304,74.296 cw(c31.456,74.296) 31.456,74.449 32.878,74.449 cw(c32.878,74.296) 33.031,74.296 33.031,71.724 34.148,71.724 34.148,74.296 cw(c34.301,74.296) 34.301,74.449 35.723,74.449 cw(c35.723,74.296) 35.876,74.296 35.876,71.724 36.993,71.724 36.993,73.448 cw(c37.146,73.448) 37.146,73.6 55.969,73.6 74.014,91.645 95.514,91.645 96.184,92.316 96.274,92.405 99.126,92.405 100.905,90.626 100.905,52.605 97.212,48.912 97.212,43.411 97.085,43.284 97.085,37.315 97.8,36.6 99.619,36.6 J43.8@100.755,37.736
LVDS4_4_N: J43.12 J44.L64 | length 190.6
  TopLayer w0.127: 2.477,77.308 2.477,75.223 2.541,75.16 2.541,74.427 1.931,73.817 1.931,71.172 2.49,70.613 2.49,70.326 J44.L64@2.945,69.871
  TopLayer w0.152: 2.477,77.308 2.889,77.72 2.889,77.795 4.3,79.206 4.3,84.731 9.074,89.505 24.12,89.505 24.536,89.089 26.375,89.089 26.779,88.686 30.791,88.686 31.503,89.397 55.228,89.397 55.636,88.989 56.475,88.989 56.779,88.686 60.021,88.686 60.325,88.989 61.095,88.989 61.503,89.397 77.697,89.397 80.305,92.005 97.511,92.005 v1(99.215,90.3)
  BottomLayer w0.152: v1@99.194,90.321 98.698,89.825 98.698,89.158 99.095,88.761 99.095,86.489 ccw(c99.248,86.489) 99.248,86.336 99.889,86.336 99.889,85.219 98.259,85.219 ccw(c98.259,85.066) 98.106,85.066 98.106,83.644 ccw(c98.259,83.644) 98.259,83.492 99.889,83.492 99.889,82.374 98.259,82.374 ccw(c98.259,82.222) 98.106,82.222 98.106,80.799 ccw(c98.259,80.799) 98.259,80.647 99.889,80.647 99.889,79.529 99.248,79.529 ccw(c99.248,79.377) 99.095,79.377 99.095,53.501 95.795,50.201 95.795,31.874 96.474,31.195 99.026,31.195 100.487,32.656 J43.12@100.755,32.656
LVDS4_4_P: J43.11 J44.L30 | length 189.9
  TopLayer w0.127: 2.795,77.195 2.795,74.322 2.185,73.712 2.185,71.325 2.897,70.613 3.247,70.613 3.829,70.03 4.36,70.03 4.601,70.271 J44.L30@5.295,70.271
  TopLayer w0.152: 2.795,77.195 3.194,77.594 3.194,77.668 4.605,79.08 4.605,84.605 9.2,89.2 23.994,89.2 24.41,88.784 26.249,88.784 26.652,88.381 30.918,88.381 31.629,89.092 55.102,89.092 55.51,88.684 56.349,88.684 56.652,88.381 60.148,88.381 60.451,88.684 61.221,88.684 61.629,89.092 77.823,89.092 77.931,89.2 80.431,91.7 97.384,91.7 98.737,90.348 98.737,90.102 99.017,89.821 99.177,89.821 v1(99.177,89.627)
  BottomLayer w0.152: J43.11@98.215,32.656 99,31.871 99,31.6 98.9,31.5 96.6,31.5 96.1,32 96.1,50.075 99.4,53.375 99.4,79.224 100.041,79.224 ccw(c100.041,79.377) 100.194,79.377 100.194,80.799 ccw(c100.041,80.799) 100.041,80.952 98.411,80.952 98.411,82.069 100.041,82.069 ccw(c100.041,82.222) 100.194,82.222 100.194,83.644 ccw(c100.041,83.644) 100.041,83.796 98.411,83.796 98.411,84.914 100.041,84.914 ccw(c100.041,85.066) 100.194,85.066 100.194,86.489 ccw(c100.041,86.489) 100.041,86.641 99.4,86.641 99.4,88.761 99.4,88.994 99.177,89.217 v1(99.177,89.627)
LVDS4_5_N: J43.15 J44.L65 | length 192.3
  BottomLayer w0.127: J44.L65@4.095,70.671 4.654,71.23 5.56,71.23 6.137,71.807 10.755,71.807 11.26,72.311 11.79,72.311 12.271,71.83 13.128,71.83 13.61,72.312 14.14,72.312 14.644,71.807 15.977,71.807 16.003,71.833
  BottomLayer w0.152: 16.003,71.833 20.9,71.833 24.227,75.16 35.559,75.16 35.559,75.641 cw(c35.711,75.641) 35.711,75.794 37.134,75.794 cw(c37.134,75.641) 37.286,75.641 37.286,74.311 38.404,74.311 38.404,75.641 cw(c38.556,75.641) 38.556,75.794 39.978,75.794 cw(c39.978,75.641) 40.131,75.641 40.131,74.311 41.248,74.311 41.248,75.641 cw(c41.401,75.641) 41.401,75.794 42.823,75.794 cw(c42.823,75.641) 42.976,75.641 42.976,74.311 44.093,74.311 44.093,75.641 cw(c44.246,75.641) 44.246,75.794 45.668,75.794 cw(c45.668,75.641) 45.82,75.641 45.82,74.311 46.938,74.311 46.938,75.641 cw(c47.09,75.641) 47.09,75.794 48.513,75.794 cw(c48.513,75.641) 48.665,75.641 48.665,74.311 49.783,74.311 49.783,75.008 cw(c49.935,75.008) 49.935,75.16 55.36,75.16 73.405,93.205 102.626,93.205 103.016,92.816 103.105,92.726 103.105,29.574 103.016,29.484 102.11,28.579 99.218,28.579 J43.15@98.215,27.576
LVDS4_5_P: J43.14 J44.L31 | length 191.9
  BottomLayer w0.127: J44.L31@6.445,71.071 6.927,71.553 7.4,71.553 7.4,70.1 8.511,70.1 8.6,70.189 8.6,71.553 10.737,71.553 11.26,71.03 11.79,71.03 12.271,71.512 13.129,71.512 13.61,71.031 14.14,71.031 14.663,71.553 15.977,71.553 16.003,71.528
  BottomLayer w0.152: 16.003,71.528 21.026,71.528 24.354,74.855 35.711,74.855 ccw(c35.711,75.008) 35.864,75.008 35.864,75.489 36.981,75.489 36.981,74.159 ccw(c37.134,74.159) 37.134,74.006 38.556,74.006 ccw(c38.556,74.159) 38.708,74.159 38.708,75.489 39.826,75.489 39.826,74.159 ccw(c39.978,74.159) 39.978,74.006 41.401,74.006 ccw(c41.401,74.159) 41.553,74.159 41.553,75.489 42.671,75.489 42.671,74.159 ccw(c42.823,74.159) 42.823,74.006 44.246,74.006 ccw(c44.246,74.159) 44.398,74.159 44.398,75.489 45.516,75.489 45.516,74.159 ccw(c45.668,74.159) 45.668,74.006 47.09,74.006 ccw(c47.09,74.159) 47.243,74.159 47.243,75.489 48.36,75.489 48.36,74.159 ccw(c48.513,74.159) 48.513,74.006 49.935,74.006 ccw(c49.935,74.159) 50.088,74.159 50.088,74.855 55.486,74.855 73.531,92.9 102.5,92.9 102.8,92.6 102.8,29.7 102,28.9 99.9,28.9 99.35,29.45 99.8,29.9 100.2,29.9 100.416,30.116 J43.14@100.755,30.116
LVDS4_6_N: J43.18 J44.L66 | length 190.8
  TopLayer w0.127: J44.L66@2.945,71.471 3.454,71.98 3.454,72.734 3.725,73.005
  TopLayer w0.152: 3.725,73.005 3.921,73.2 3.921,74.316 5.348,75.743 5.348,76.729 5.328,76.748 5.328,83.359 10.374,88.405 24.215,88.405 24.242,88.378 26.081,88.378 26.484,87.974 31.086,87.974 31.516,88.405 55.215,88.405 55.342,88.278 56.181,88.278 56.484,87.974 60.316,87.974 60.619,88.278 61.389,88.278 61.516,88.405 78.905,88.405 81.505,91.005 96.276,91.005 97.058,90.223 v1(97.309,90.223)
  BottomLayer w0.152: v1(97.309,90.223) 97.309,89.972 97.7,89.581 97.7,77.128 98.303,77.128 cw(c98.303,76.989) 98.443,76.989 98.443,75.566 cw(c98.303,75.566) 98.303,75.427 95.661,75.427 95.661,74.284 98.303,74.284 cw(c98.303,74.144) 98.443,74.144 98.443,72.722 cw(c98.303,72.722) 98.303,72.582 95.661,72.582 95.661,71.439 97.56,71.439 cw(c97.56,71.299) 97.7,71.299 97.7,53.469 95.016,50.784 95.016,27.284 95.854,26.446 99.285,26.446 100.695,25.036 J43.18@100.755,25.036
LVDS4_6_P: J43.17 J44.L32 | length 190.5
  TopLayer w0.127: 4.646,72.823 4.862,72.607 4.862,72.303 J44.L32@5.295,71.871
  TopLayer w0.152: 4.646,72.823 4.3,73.169 4.3,74.2 4.8,74.7 5.1,74.4 5.6,74.9 5.3,75.2 5.633,75.533 5.633,83.233 10.5,88.1 24.088,88.1 24.116,88.073 25.955,88.073 26.358,87.67 31.212,87.67 31.643,88.1 55.088,88.1 55.216,87.973 56.055,87.973 56.358,87.67 60.442,87.67 60.745,87.973 61.515,87.973 61.643,88.1 79.031,88.1 81.631,90.7 96.15,90.7 96.8,90.05 v1(96.8,89.8)
  BottomLayer w0.152: v1(96.8,89.8) 97.05,89.8 97.421,89.43 97.421,76.989 ccw(c97.56,76.989) 97.56,76.849 98.163,76.849 98.163,75.706 95.522,75.706 ccw(c95.522,75.566) 95.382,75.566 95.382,74.144 ccw(c95.522,74.144) 95.522,74.004 98.163,74.004 98.163,72.861 95.522,72.861 ccw(c95.522,72.722) 95.382,72.722 95.382,71.299 ccw(c95.522,71.299) 95.522,71.159 97.421,71.159 97.421,53.621 94.8,51 94.711,50.911 94.711,27.158 94.8,27.069 95.574,26.295 95.728,26.141 99.038,26.141 99.379,25.8 99.379,25.579 98.836,25.036 J43.17@98.215,25.036
LVDS4_7_N: J43.21 J44.L67 | length 192.6
  BottomLayer w0.127: J44.L67@4.095,72.271 4.654,72.83 5.56,72.83 6.188,73.458
  BottomLayer w0.152: 6.188,73.458 6.188,73.703 6.984,74.5 21,74.5 23.005,76.505 24.759,76.505 24.759,76.914 cw(c24.911,76.914) 24.911,77.067 26.334,77.067 cw(c26.334,76.914) 26.486,76.914 26.486,76.093 27.604,76.093 27.604,76.914 cw(c27.756,76.914) 27.756,77.067 29.178,77.067 cw(c29.178,76.914) 29.331,76.914 29.331,76.093 30.448,76.093 30.448,76.914 cw(c30.601,76.914) 30.601,77.067 32.023,77.067 cw(c32.023,76.914) 32.176,76.914 32.176,76.093 33.293,76.093 33.293,76.352 cw(c33.446,76.352) 33.446,76.505 55.105,76.505 72.905,94.305 102.926,94.305 104.205,93.026 104.205,22.974 102.326,21.095 99.354,21.095 J43.21@98.215,19.956
LVDS4_7_P: J43.20 J44.L33 | length 192.1
  BottomLayer w0.127: J44.L33@6.445,72.671 6.59,72.816 6.59,73.71
  BottomLayer w0.152: 6.59,73.71 7.075,74.195 7.342,74.195 7.875,74.195 7.875,73.376 8.408,73.376 8.408,74.195 8.942,74.195 8.942,73.376 9.475,73.376 9.475,74.195 10.009,74.195 10.485,74.195 21.126,74.195 23.131,76.2 24.911,76.2 ccw(c24.911,76.352) 25.064,76.352 25.064,76.762 26.181,76.762 26.181,75.941 ccw(c26.334,75.941) 26.334,75.788 27.756,75.788 ccw(c27.756,75.941) 27.908,75.941 27.908,76.762 29.026,76.762 29.026,75.941 ccw(c29.178,75.941) 29.178,75.788 30.601,75.788 ccw(c30.601,75.941) 30.753,75.941 30.753,76.762 31.871,76.762 31.871,75.941 ccw(c32.023,75.941) 32.023,75.788 33.446,75.788 ccw(c33.446,75.941) 33.598,75.941 33.598,76.2 55.231,76.2 73.031,94 102.8,94 103.9,92.9 103.9,23.1 102.2,21.4 100,21.4 99.7,21.7 100.496,22.496 J43.20@100.755,22.496
LVDS4_8_N: J43.24 J44.L68 | length 192.9
  BottomLayer w0.152: J44.L68@2.945,73.071 3.566,73.071 3.995,73.5 3.995,74.026 5.469,75.5 13.087,75.5 15.587,78 52.269,78 69.569,95.3 103.3,95.3 105.105,93.495 105.105,21.905 101.848,18.648 100.148,18.648 99.8,18.3 99.8,17.7 100.084,17.416 J43.24@100.755,17.416
  BottomLayer w0.254: J43.24@100.755,17.416 J43.24@101.159,17.416
LVDS4_8_P: J43.23 J44.L34 | length 191.7
  BottomLayer w0.152: J44.L34@5.295,73.471 4.329,73.471 4.3,73.5 4.3,73.9 5.595,75.195 13.213,75.195 15.713,77.695 52.395,77.695 69.721,95.021 103.184,95.021 104.8,93.405 104.8,33.4 104.825,33.375 104.825,22.021 101.758,18.953 100.022,18.953 99.584,18.516 99.495,18.426 99.495,17.7 99.211,17.416 J43.23@98.215,17.416
LVDS5_1_N: J44.U35 J45.3 | length 200.9
  TopLayer w0.152: J44.U35@13.875,73.271 12.852,74.294 12.852,74.3 13.752,75.2 ; 14.1,75.2 13.752,75.2 ; 16.8,75.2 13.752,75.2 ; v1(141.354,79.632) 141.086,79.9 138.631,79.9 138.331,79.6 21.631,79.6 17.231,75.2 13.752,75.2
  BottomLayer w0.152: J45.3@140.715,42.816 141.816,42.816 142.2,43.2 142.2,43.7 141.738,44.162 141.738,47.338 141.695,47.382 141.695,70.875 141.456,70.875 cw(c141.456,71.028) 141.304,71.028 141.304,71.942 cw(c141.456,71.942) 141.456,72.094 144.235,72.094 144.235,72.704 141.436,72.704 cw(c141.436,72.856) 141.284,72.856 141.284,73.771 cw(c141.436,73.771) 141.436,73.923 144.235,73.923 144.235,74.533 140.948,74.533 cw(c140.948,74.685) 140.796,74.685 140.796,75.6 cw(c140.948,75.6) 140.948,75.752 144.235,75.752 144.235,76.362 140.059,76.362 cw(c140.059,76.514) 139.906,76.514 139.906,77.428 cw(c140.059,77.428) 140.059,77.581 144.235,77.581 144.235,78.19 141.848,78.19 cw(c141.848,78.343) 141.695,78.343 141.695,79.291 v1(141.354,79.632)
LVDS5_1_P: J44.U1 J45.2 | length 197.5
  TopLayer w0.152: J44.U1@11.525,73.271 12.547,74.294 12.547,74.426 13.626,75.505 17.105,75.505 21.105,79.505 21.505,79.905 138.205,79.905 138.505,80.205 141.795,80.205 v1(141.9,80.1)
  BottomLayer w0.152: v1@141.797,80.076 v1@141.836,80.036 ; v1(141.9,80.1) 141.9,79.517 142,79.417 142,78.495 144.388,78.495 cw(c144.388,78.343) 144.54,78.343 144.54,77.428 cw(c144.388,77.428) 144.388,77.276 140.211,77.276 140.211,76.666 144.388,76.666 cw(c144.388,76.514) 144.54,76.514 144.54,75.6 cw(c144.388,75.6) 144.388,75.447 141.1,75.447 141.1,74.838 144.388,74.838 cw(c144.388,74.685) 144.54,74.685 144.54,73.771 cw(c144.388,73.771) 144.388,73.618 141.588,73.618 141.588,73.009 144.388,73.009 cw(c144.388,72.856) 144.54,72.856 144.54,71.942 cw(c144.388,71.942) 144.388,71.79 141.608,71.79 141.608,71.18 141.848,71.18 cw(c141.848,71.028) 142,71.028 142,47.6 142.043,47.557 142.043,44.462 142.202,44.303 J45.2@143.255,45.356
LVDS5_2_N: J44.U43 J45.6 | length 197.4
  TopLayer w0.127: 11.164,76.464 11.164,75.833 11.1,75.77 11.1,75.287 10.364,74.55 10.364,68.436 11.234,67.565 11.875,67.565 12.41,67.03 13.715,67.03 J44.U43@13.875,66.871
  TopLayer w0.152: 11.164,76.464 11.8,77.1 14.431,77.1 18.931,81.6 136.331,81.6 137.431,82.7 139.5,82.7 139.863,82.337 v1(139.863,81.963)
  BottomLayer w0.152: v1(139.863,81.963) 140.091,81.963 140.877,81.177 140.877,81.017 139.195,79.335 139.195,75.674 140.084,74.784 140.084,72.689 ccw(c140.237,72.689) 140.237,72.536 140.592,72.536 140.592,71.419 140.237,71.419 ccw(c140.237,71.266) 140.084,71.266 140.084,69.844 ccw(c140.237,69.844) 140.237,69.692 140.592,69.692 140.592,68.574 140.237,68.574 ccw(c140.237,68.422) 140.084,68.422 140.084,66.999 ccw(c140.237,66.999) 140.237,66.847 140.592,66.847 140.592,65.729 140.237,65.729 ccw(c140.237,65.577) 140.084,65.577 140.084,47.784 138.895,46.595 138.895,39.174 139.33,38.739 141.57,38.739 142.005,39.174 142.005,39.8 142.481,40.276 J45.6@143.255,40.276
LVDS5_2_P: J44.U9 J45.5 | length 197.2
  TopLayer w0.127: 10.846,76.577 10.846,75.392 10.11,74.656 10.11,68.33 10.353,68.087 10.353,66.1 11.389,66.1 11.525,66.236 J44.U9@11.525,66.871
  TopLayer w0.152: 10.846,76.577 11.674,77.405 14.305,77.405 18.505,81.605 18.805,81.905 136.205,81.905 137.305,83.005 139.626,83.005 140.131,82.5 v1(140.4,82.5)
  BottomLayer w0.152: v1@140.306,82.406 140.342,82.371 140.342,82.143 141.092,81.392 141.182,81.303 141.182,80.89 141.092,80.801 141.092,80.725 139.5,79.132 139.5,75.8 140.3,75 140.389,74.911 140.389,72.841 140.745,72.841 cw(c140.745,72.689) 140.897,72.689 140.897,71.266 cw(c140.745,71.266) 140.745,71.114 140.389,71.114 140.389,69.996 140.745,69.996 cw(c140.745,69.844) 140.897,69.844 140.897,68.422 cw(c140.745,68.422) 140.745,68.269 140.389,68.269 140.389,67.152 140.745,67.152 cw(c140.745,66.999) 140.897,66.999 140.897,65.577 cw(c140.745,65.577) 140.745,65.424 140.389,65.424 140.389,47.658 140.3,47.569 139.2,46.469 139.2,39.3 139.456,39.044 141.444,39.044 141.7,39.3 141.7,39.8 141.224,40.276 J45.5@140.715,40.276
LVDS5_3_N: J44.U37 J45.9 | length 198.9
  TopLayer w0.127: J44.U37@13.875,71.671 14.56,71.671 14.654,71.576 16.079,71.576 16.13,71.526
  TopLayer w0.152: 16.13,71.526 17.505,71.526 17.779,71.8 17.923,71.944 17.851,72.016 18.138,72.303 18.21,72.231 18.783,71.658 19.07,71.945 18.497,72.518 18.425,72.59 18.713,72.878 18.785,72.806 18.989,73.011 23.579,77.6 128.574,77.6 128.959,77.215 131.646,77.215 132.031,77.6 138.4,77.6 140.6,75.4 140.6,74.043 ccw(c140.752,74.043) 140.752,73.89 142.956,73.89 142.956,73.281 140.397,73.281 ccw(c140.397,73.128) 140.244,73.128 140.244,72.214 ccw(c140.397,72.214) 140.397,72.062 142.956,72.062 142.956,71.452 140.397,71.452 ccw(c140.397,71.3) 140.244,71.3 140.244,70.385 ccw(c140.397,70.385) 140.397,70.233 142.956,70.233 142.956,69.623 140.397,69.623 ccw(c140.397,69.471) 140.244,69.471 140.244,68.556 ccw(c140.397,68.556) 140.397,68.404 142.956,68.404 142.956,67.794 140.752,67.794 ccw(c140.752,67.642) 140.6,67.642 140.6,49.074 142.779,46.895 144.105,46.895 144.9,46.1 144.9,39.5 144.546,39.146 142.115,39.146 141.784,38.816 141.718,38.749 141.718,36.482 141.668,36.432 141.668,36.149 J45.9@140.715,35.196
LVDS5_3_P: J44.U3 J45.8 | length 199.8
  TopLayer w0.127: J44.U3@11.525,71.671 12.969,71.671 13.61,72.312 14.278,72.312 14.76,71.83 15.7,71.83
  TopLayer w0.152: 15.7,71.83 17.271,71.83 23.013,77.573 23.121,77.573 23.453,77.905 128.7,77.905 129.085,77.52 131.52,77.52 131.905,77.905 138.526,77.905 138.858,77.573 140.905,75.526 140.905,74.195 143.108,74.195 cw(c143.108,74.043) 143.26,74.043 143.26,73.128 cw(c143.108,73.128) 143.108,72.976 140.549,72.976 140.549,72.366 143.108,72.366 cw(c143.108,72.214) 143.26,72.214 143.26,71.3 cw(c143.108,71.3) 143.108,71.147 140.549,71.147 140.549,70.538 143.108,70.538 cw(c143.108,70.385) 143.26,70.385 143.26,69.471 cw(c143.108,69.471) 143.108,69.318 140.549,69.318 140.549,68.709 143.108,68.709 cw(c143.108,68.556) 143.26,68.556 143.26,67.642 cw(c143.108,67.642) 143.108,67.49 140.905,67.49 140.905,49.2 142.905,47.2 144.231,47.2 145.205,46.226 145.205,39.374 144.672,38.841 142.241,38.841 142.023,38.623 142.023,36.783 142.302,36.783 J45.8@143.255,37.736